# Altium PCB PCB1.PcbDoc (part 1 of 2)
Units mm, origin at the board's own origin, x right, y up, seen from the top; angles counter-clockwise.
Board outline 78 x 78 mm, 4 copper layers (Top Layer, GND, POWER, Bottom Layer), stack 1.49 mm thick; 100 components, 92 nets, 444 pads, 202 vias.
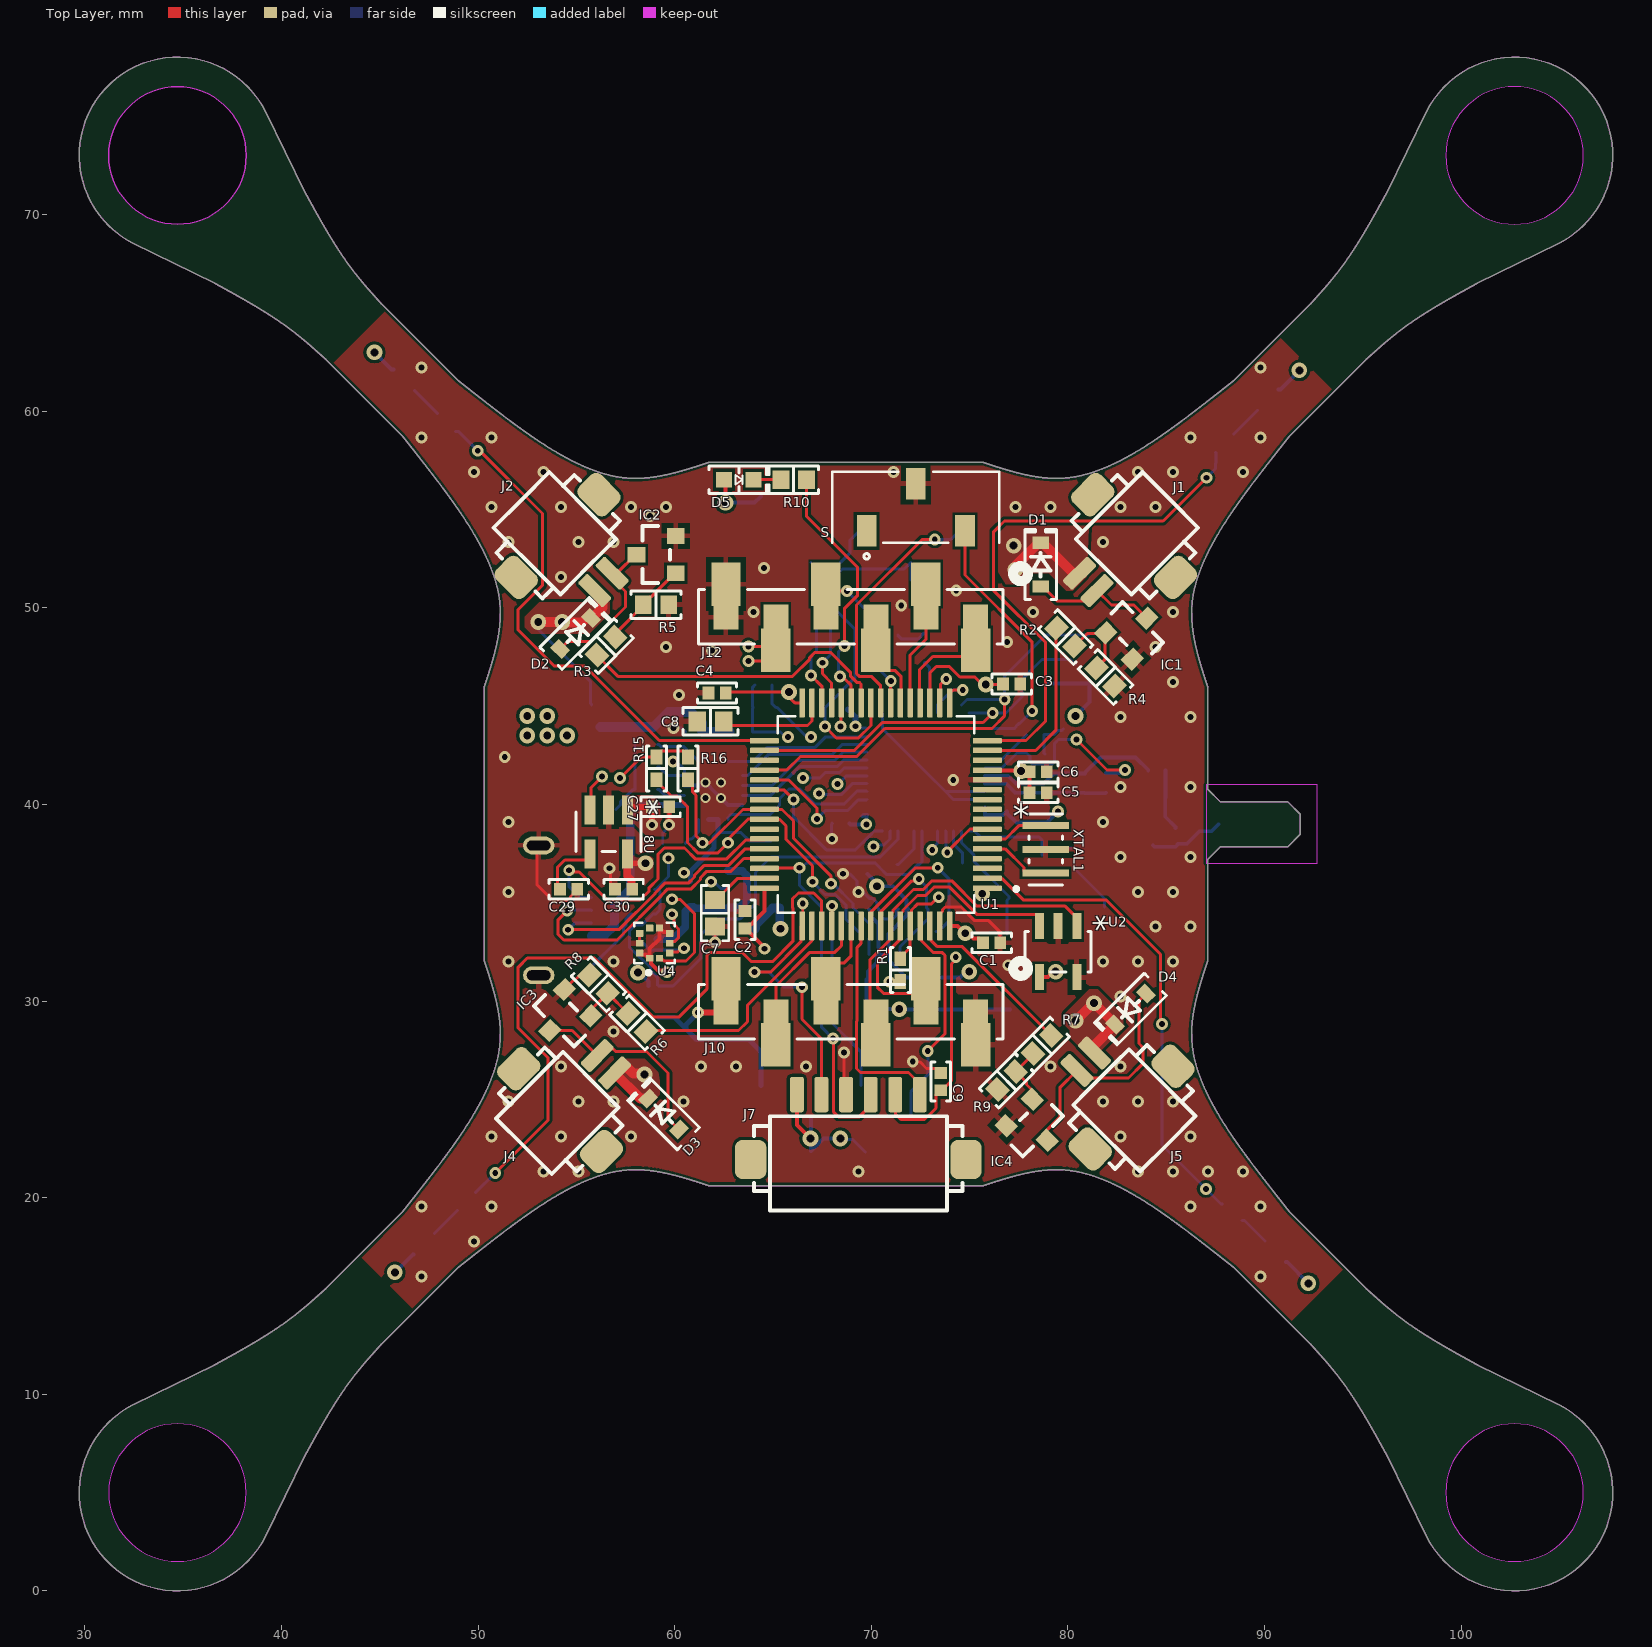
[diagram p0: Top Layer view]
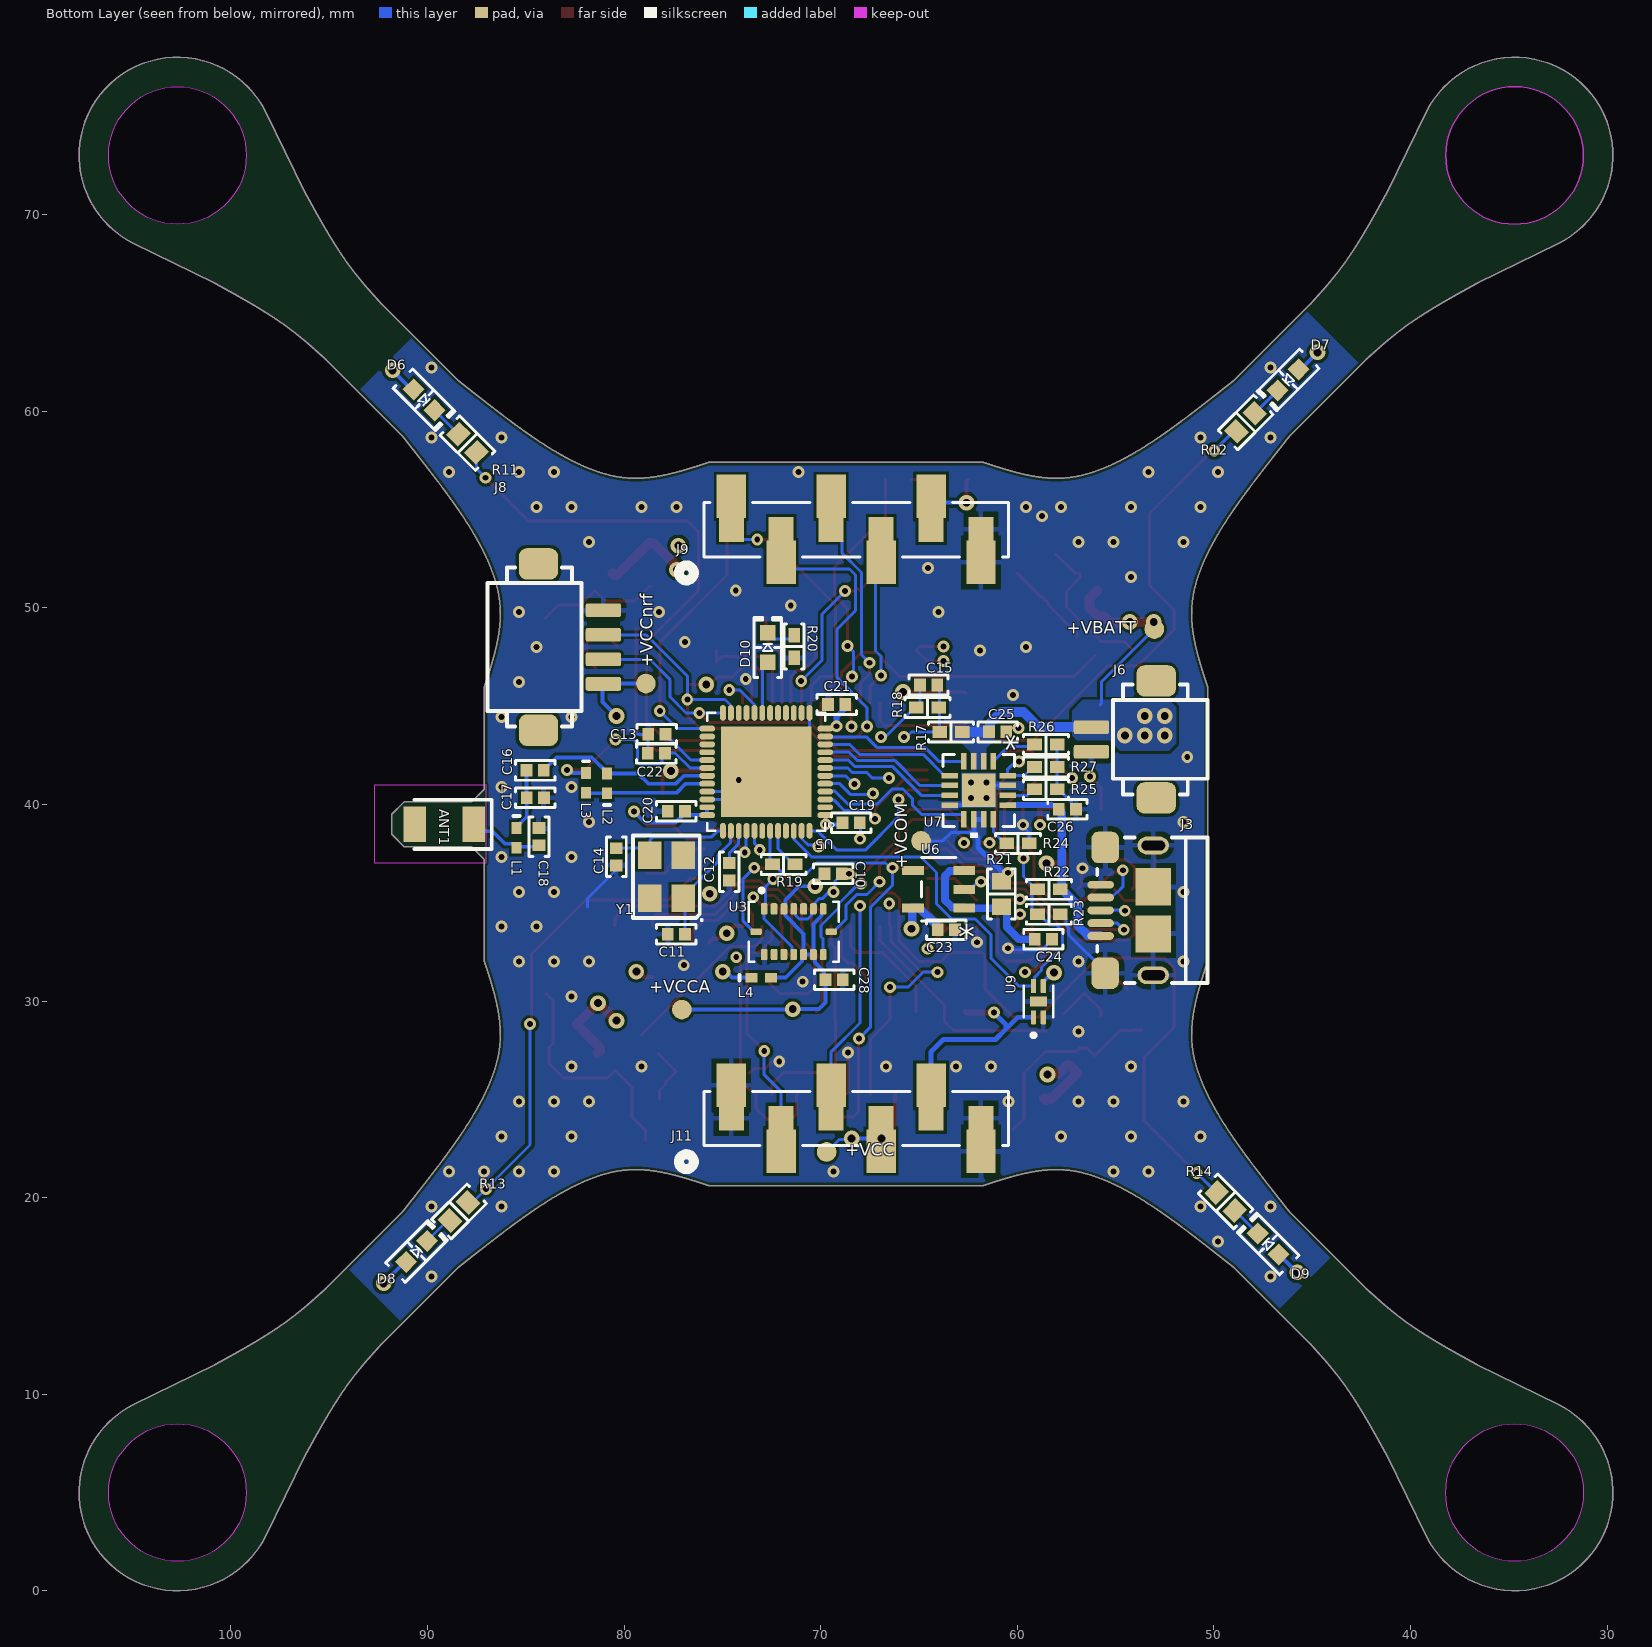
[diagram p1: Bottom Layer view, seen from below]
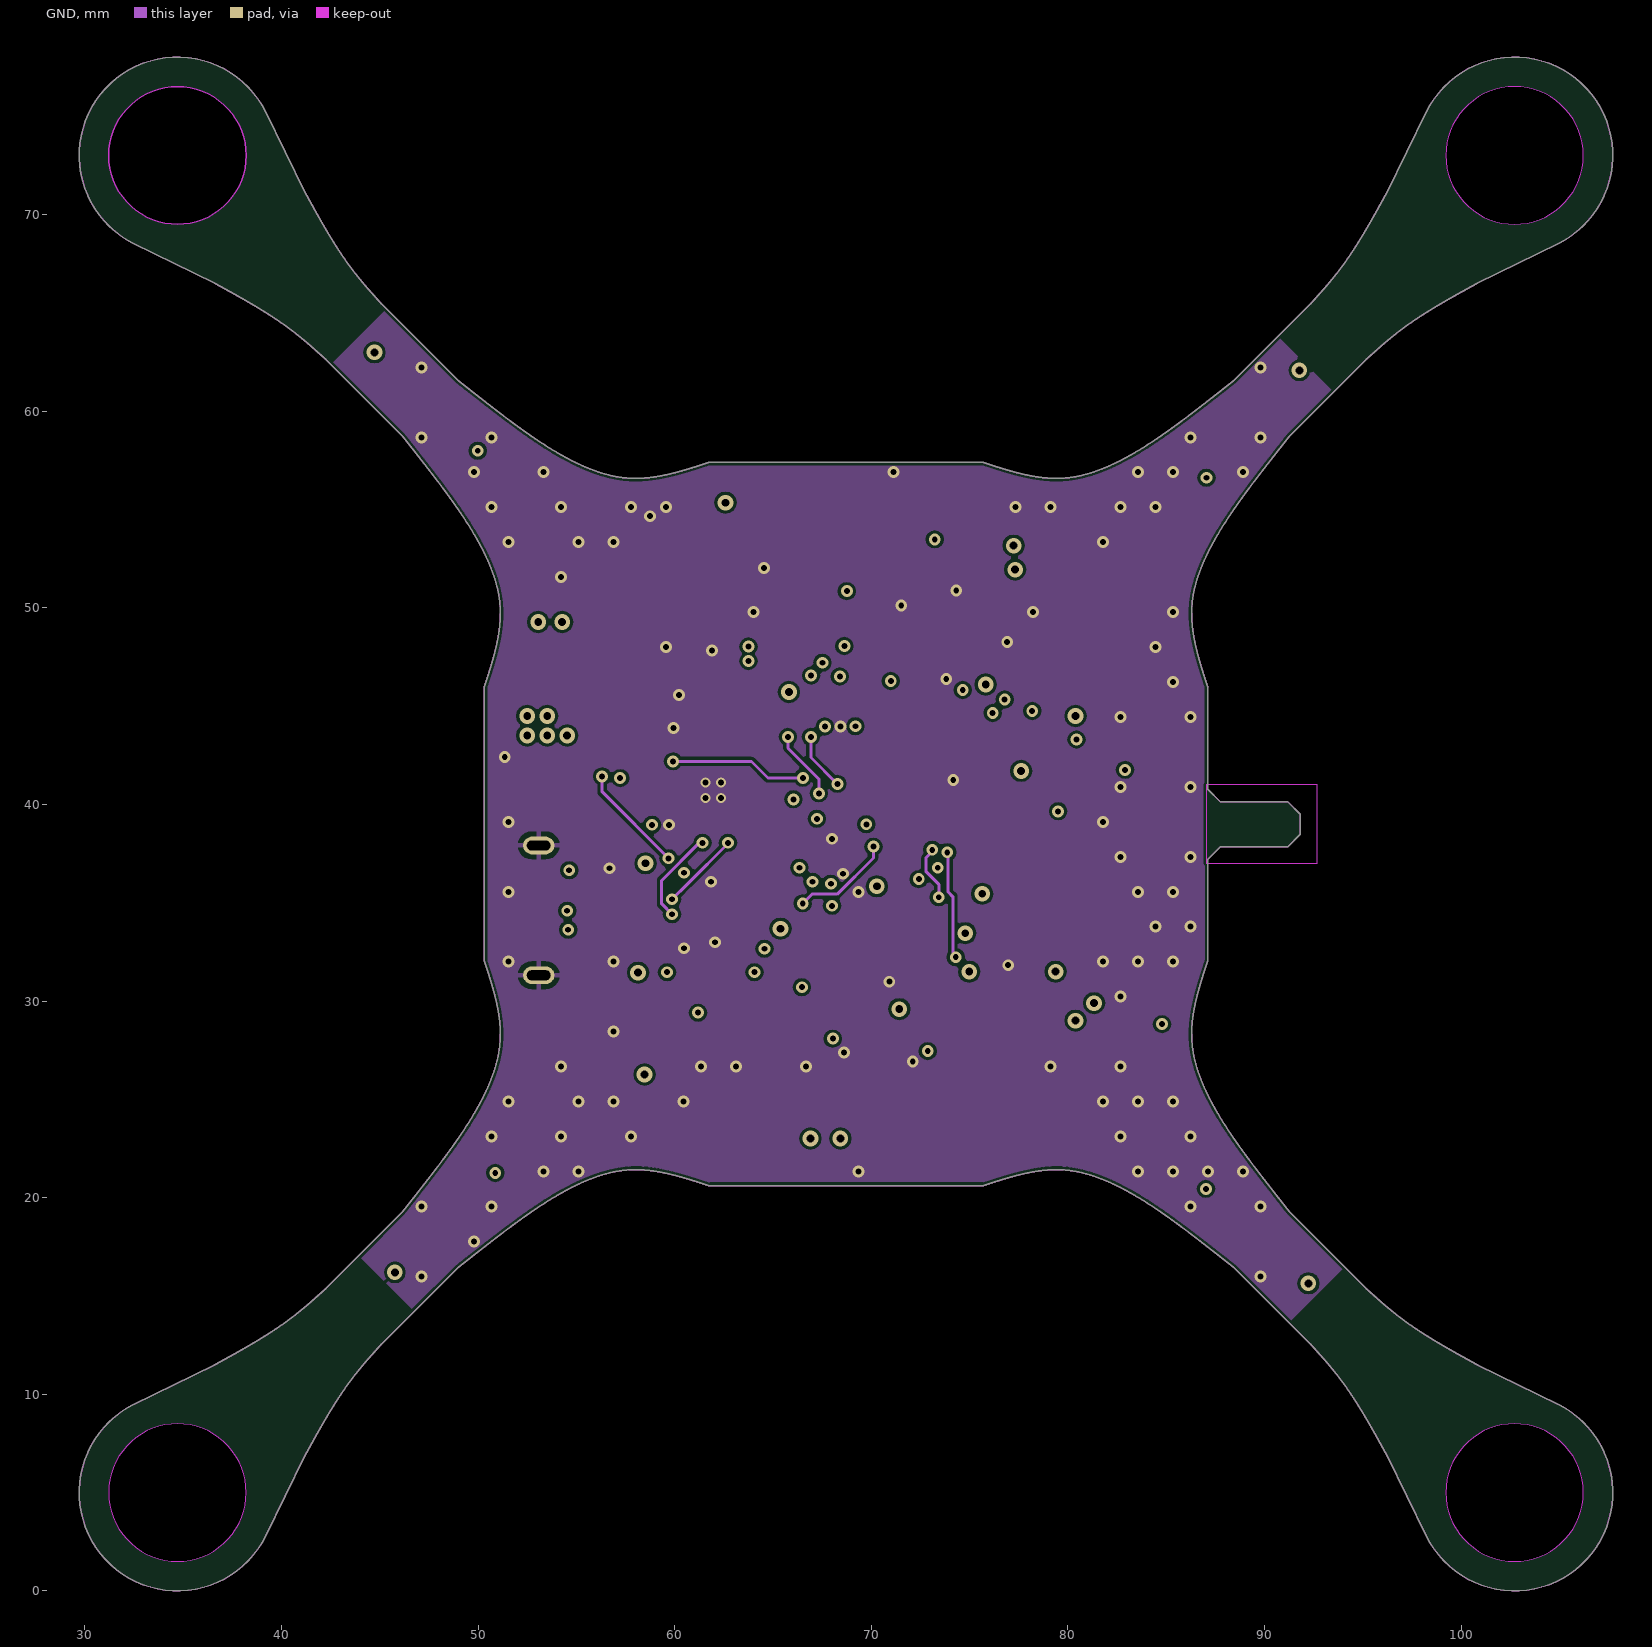
[diagram p2: GND]
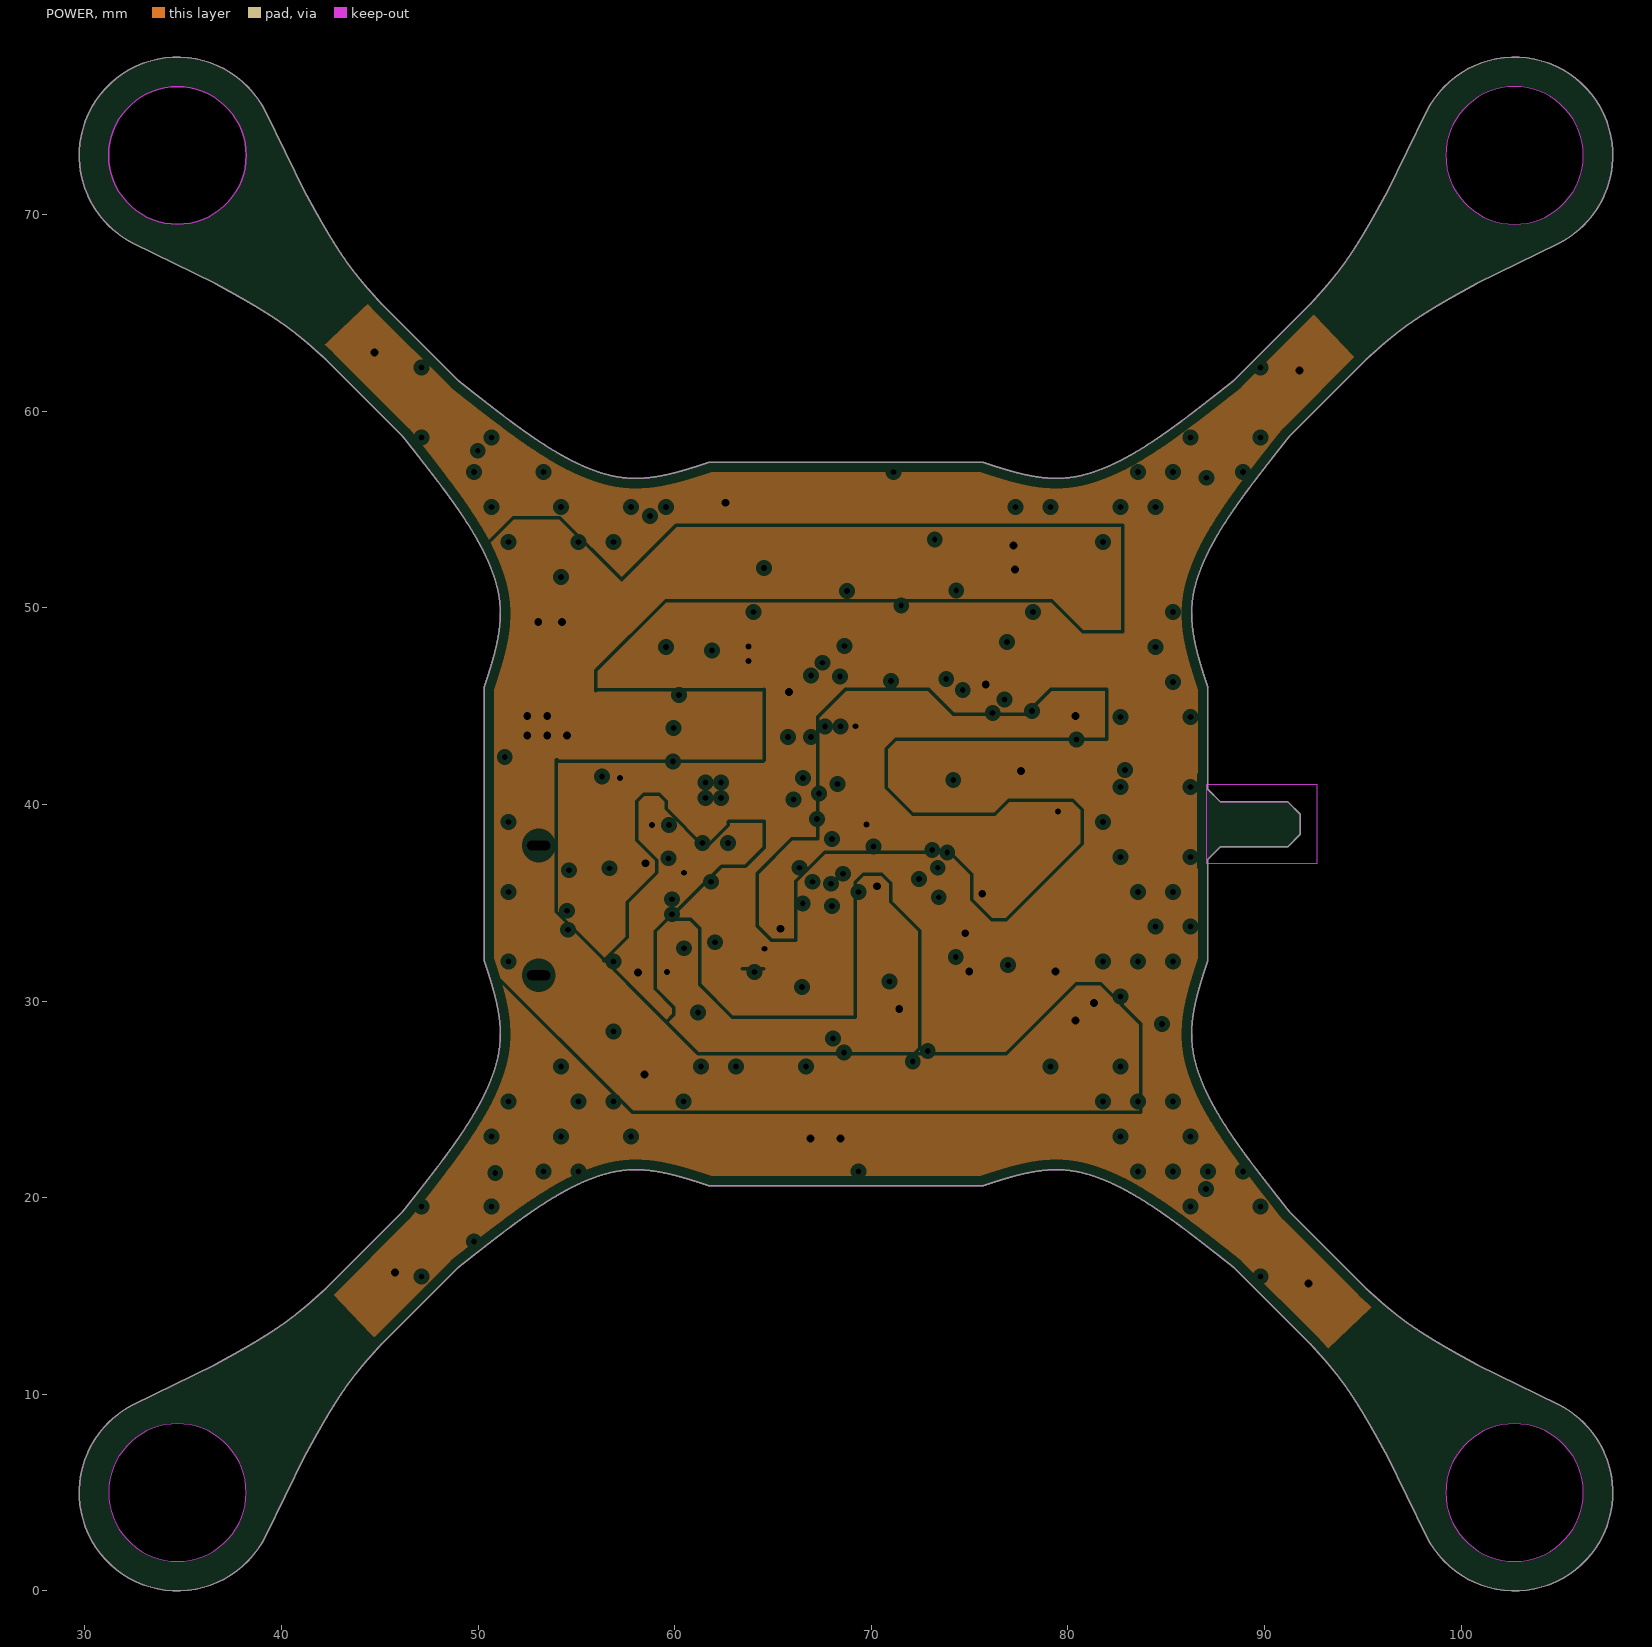
[diagram p3: POWER, clearances drawn from the general rule]

## Layer stack, top to bottom
Top Solder: solder mask 0.0102, Solder Resist, Dk 3.5
Top Layer: signal copper 0.035
Dielectric 2: prepreg 0.11, FR-4, Dk 4.3
GND: signal copper 0.035
Dielectric4: dielectric 1.13, FR-4, Dk 4.3
POWER: plane copper 0.035, net (Multiple Nets)
Dielectric 3: prepreg 0.11, FR-4, Dk 4.3
Bottom Layer: signal copper 0.035
Bottom Solder: solder mask 0.0102, Solder Resist, Dk 3.5

## Board outline
8067 vertices, not listed, extent 29.716,0.008 107.712,78.004
cut-out: 99.214,73.006 ccw(c102.714,73.006) 102.714,69.506 ccw(c102.714,73.006) 106.214,73.006 ccw(c102.714,73.006) 102.714,76.506 ccw(c102.714,73.006)
cut-out: 99.214,5.006 ccw(c102.714,5.006) 102.714,1.506 ccw(c102.714,5.006) 106.214,5.006 ccw(c102.714,5.006) 102.714,8.506 ccw(c102.714,5.006)
cut-out: 34.714,69.506 cw(c34.714,73.006) 31.214,73.006 cw(c34.714,73.006) 34.714,76.506 cw(c34.714,73.006) 38.214,73.006 cw(c34.714,73.006)
cut-out: 31.214,5.006 ccw(c34.714,5.006) 34.714,1.506 ccw(c34.714,5.006) 38.214,5.006 ccw(c34.714,5.006) 34.714,8.506 ccw(c34.714,5.006)

## Design rules (kind name [scope] priority, off if disabled: settings)
Clearance "Stitching GND" [IsStitchingVia and InNet('GND') vs (IsVia and (Not IsStitchingVia)) Or IsPad] p1: gap=0.127 ignorepadtopadclearanceinfootprint=FALSE
Clearance [All] p2: gap=0.152 ignorepadtopadclearanceinfootprint=TRUE except(0: Arc-Text Track-Text SMDPad-Text THPad-Text Via-Text Fill-Text Poly-Text Region-Text Text-Text Text-Hole)
ComponentClearance [All] p1: gap=0.15 collisioncheckmode=3 verticalgap=0.254 showdistances=TRUE
HoleSize [All] p1: absolutevalues=TRUE maxlimit=2.54 minlimit=0.3 maxpercent=80.000 minpercent=20.000
HoleToHoleClearance [All] p1: gap=0.152 allowstackedmicrovias=TRUE
MinimumSolderMaskSliver [All] p1: minsoldermaskwidth=0
PlaneClearance BQ24075 [HasFootprint('RGT16_1P7X1P7')] p1: clearance=0.508
PlaneClearance [All] p2: clearance=0.254
PlaneConnect [All] p1: planeconnectstyle=Direct reliefexpansion=0.508 reliefentries=4 reliefconductorwidth=0.254 reliefairgap=0.254
PolygonConnect GND-Via [InNet('GND') vs HasFootprint('RGT16_1P7X1P7')or isvia] p1: connectstyle=Direct reliefconductorwidth=0.254 reliefentries=4 polygonreliefangle="90 Angle" airgapwidth=0.254
PolygonConnect "GND plane" [IsVia vs isnamedpolygon('GND_L02_P054')] p2: connectstyle=Direct reliefconductorwidth=0.254 reliefentries=4 polygonreliefangle="90 Angle" airgapwidth=0.254
PolygonConnect GND-NrfCrystal [InNet('GND') vs HasFootprint('ABRACON ABM8G')] p3: connectstyle=Direct reliefconductorwidth=0.254 reliefentries=4 polygonreliefangle="90 Angle" airgapwidth=0.254
PolygonConnect VCCA [InNet('VCCA') vs InNet('VCCA')] p4: connectstyle=Direct reliefconductorwidth=0.254 reliefentries=4 polygonreliefangle="90 Angle" airgapwidth=0.254
PolygonConnect VBATT [InNet('VBATT') vs InNet('VBATT')] p5: connectstyle=Direct reliefconductorwidth=0.254 reliefentries=4 polygonreliefangle="90 Angle" airgapwidth=0.254
PolygonConnect VCOM [InNet('VCOM') vs InNet('VCOM')] p6: connectstyle=Direct reliefconductorwidth=0.254 reliefentries=4 polygonreliefangle="90 Angle" airgapwidth=0.254
PolygonConnect VCC [InNet('VCC') vs InNet('VCC')] p7: connectstyle=Direct reliefconductorwidth=0.254 reliefentries=4 polygonreliefangle="90 Angle" airgapwidth=0.254
PolygonConnect [All] p8: connectstyle=Relief reliefconductorwidth=0.254 reliefentries=4 polygonreliefangle="90 Angle" airgapwidth=0.254
RoutingVias [All] p1: holewidth=0.3 width=0.6 viastyle="Through Hole" minholewidth=0.3 minwidth=0.6 maxholewidth=0.711 maxwidth=10
SilkToSilkClearance [All] p1: silktosilkclearance=0
SilkToSolderMaskClearance [IsPad] p1: minsilkscreentomaskgap=0 clearancetoexposedcopper=TRUE
SolderMaskExpansion [All] p1: expansion=0.102
Width [All] p1: maxlimit=10 minlimit=0.152 preferedwidth=0.152 midlayer1_maxwidth=9.982 minimp=50.000000 maximp=50.000000 favimp=50.000000
22 further rules are at their usual default settings.

## Classes and differential pairs
component class PM: C23 C24 C25 C26 C27 C28 C29 C30 L4 R21 R22 R23 R24 R25 R26 R27 U6 U7 U8 U9
component class NRF: ANT1 C11 C12 C13 C14 C15 C16 C17 C18 C19 C20 C21 C22 D10 L1 L2 L3 R17 R18 R19 R20 S U5 Y1
component class Main&Motor&Connector: C1 C2 C3 C4 C5 C6 C7 C8 C9 D1 D2 D3 D4 D5 D6 D7 D8 D9 IC1 IC2 IC3 IC4 J1 J2 J3 J4 J5 J6 J7 J8 J9 J10 J11 J12 R1 R2 R3 R4 R5 R6 R7 R8 R9 R10 R11 R12 R13 R14 U1 U2 XTAL1
component class IMU: C10 R15 R16 U3 U4
